# Allegro board RK_EXCAVATOR_MAIN_V12_20161114_FZBFINAL.brd (continued)
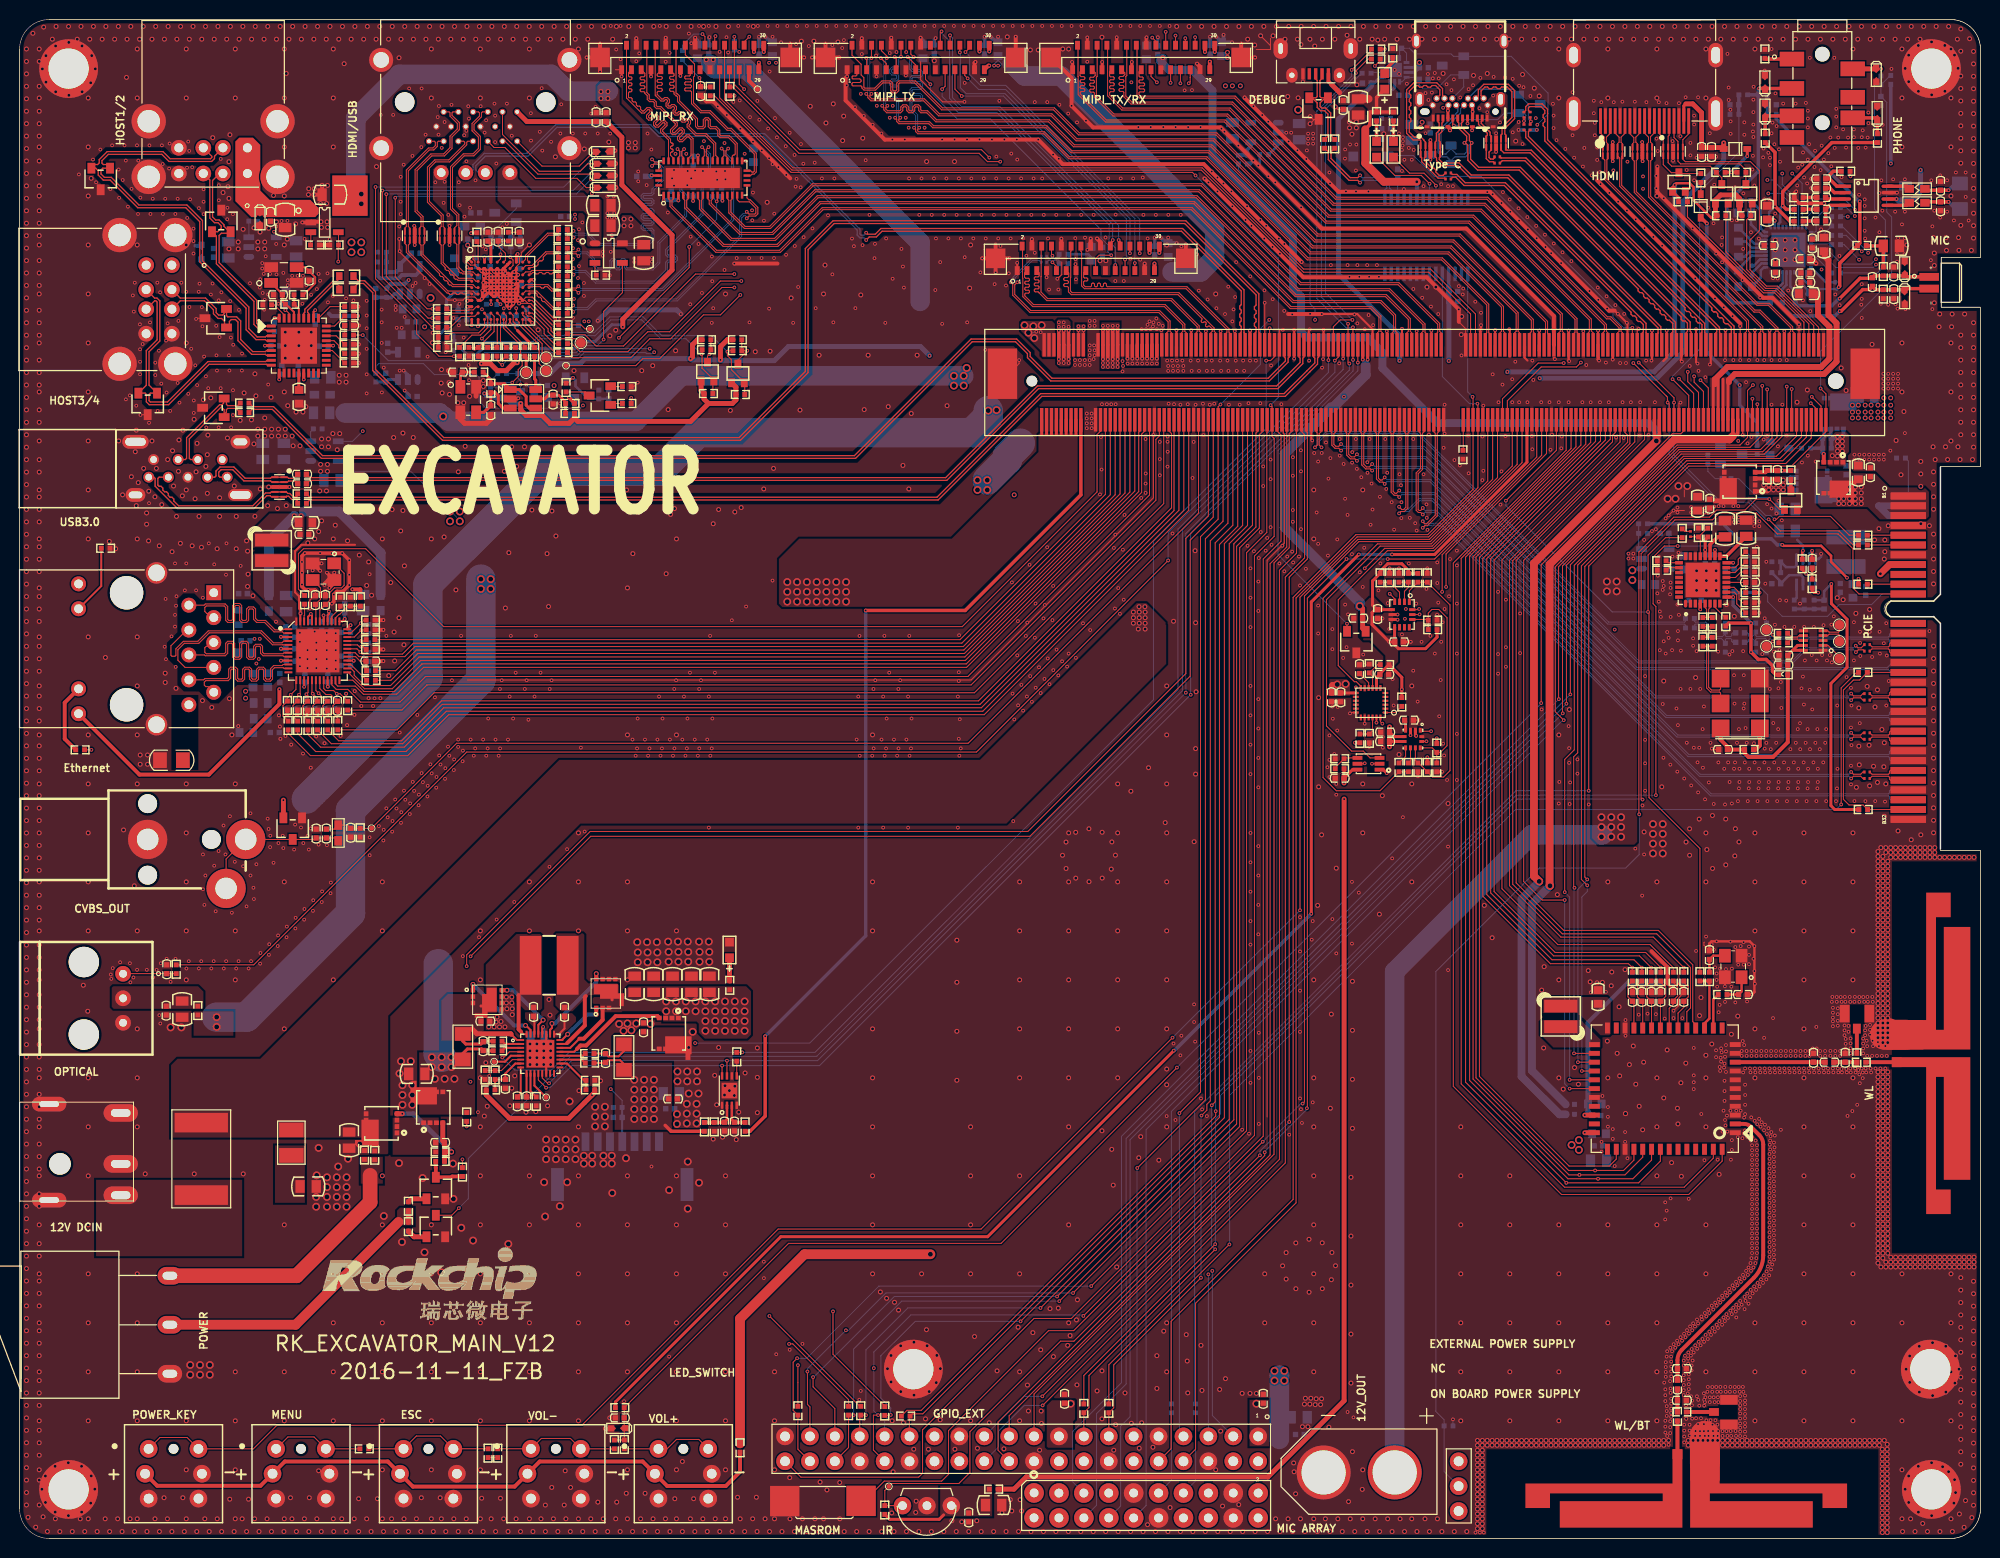
[diagram p0: board, top side]
## Routing (per net, layer and track width the routed paths; a pad name or vN(x,y) marks a point on that pad's centre or on a via; arc(x,y) is an arc through that point) (continued)
v1(187.1,143.8) v1(187.1,142.99) v1(187.15,110.6) v1(187.15,110.1) v1(187.1,93.5) v1(187.1,89.6) v1(187.15,75.25) v1(187.15,54.76) v1(187.2,55.26) v1(187.23,47.96) v1(187.28,47.56) v1(187.43,44.25) v1(187.54,141.91) v1(187.55,47.8) v1(187.63,137.12) v1(187.65,110.6) v1(187.65,110.1) v1(187.65,55.25) v1(187.65,54.76) v1(187.65,47.35) v1(187.72,92.52) v1(187.73,91.38) v1(187.75,90.05) v1(187.7,83.2) v1(187.7,46.45) v1(187.85,125.9) v1(187.9,142.99) v1(187.9,128) v1(187.9,126.5) v1(187.9,124.55) v1(187.9,47.95) v1(188,143.7) v1(188.05,55.25) v1(188.04,51) v1(188.04,50.5) v1(188.04,50) v1(188.04,49.5) v1(188,47.55) v1(188,46.97) v1(188.15,110.6) v1(188.15,110.1) v1(188.15,54.76) v1(188.2,136.65) v1(188.2,135.99) v1(188.2,134.72) v1(188.2,133.45) v1(188.24,132.65) v1(188.24,51.85) v1(188.24,51.35) v1(188.29,141.94) v1(188.27,75.24) v1(188.3,52.3) v1(188.3,47.96) v1(188.4,50.79) v1(188.45,50.24) v1(188.45,49.24) v1(188.35,47.56) v1(188.5,142.96) v1(188.48,55.26) v1(188.53,54.76) v1(188.57,145.51) v1(188.58,144.43) v1(188.65,110.6) v1(188.65,110.1) v1(188.72,92.52) v1(188.74,52.4) v1(188.74,51.9) v1(188.74,51.4) v1(188.8,47.96) v1(188.95,89.95) v1(188.95,49.24) v1(188.85,47.56) v1(188.98,55.26) v1(189.03,54.76) v1(189,50.79) v1(189.05,50.24) v1(189.15,110.6) v1(189.15,110.1) v1(189.3,134.8) v1(189.27,75.24) v1(189.3,47.96) v1(189.45,49.24) v1(189.55,50.65) v1(189.65,110.6) v1(189.65,110.1) v1(189.65,50.24) v1(189.7,137.3) v1(189.7,133.3) v1(189.72,92.52) v1(189.75,90.3) v1(189.85,126) v1(189.8,47.96) v1(189.9,138.6) v1(189.95,49.24) v1(190.03,144.27) v1(190,135.5) v1(190.1,118.85) v1(190.1,118.35) v1(190.1,117.85) v1(190.1,117.35) v1(190.15,110.6) v1(190.15,110.1) v1(190.15,91.35) v1(190.27,75.19) v1(190.3,50.25) v1(190.3,47.96) v1(190.4,93.4) v1(190.45,90.1) v1(190.4,85) v1(190.45,49.24) v1(190.6,125.9) v1(190.6,118.85) v1(190.6,118.35) v1(190.6,117.85) v1(190.6,117.35) v1(190.65,87.5) v1(190.82,111.01) v1(190.93,149.97) v1(191.1,138.7) v1(191.1,118.85) v1(191.1,118.35) v1(191.1,117.85) v1(191.1,117.35) v1(191.3,135.4) v1(191.35,125.95) v1(191.5,131.05) v1(191.5,130.3) v1(191.55,125.5) v1(191.6,132.7) v1(191.6,118.85) v1(191.6,118.35) v1(191.6,117.85) v1(191.6,117.35) v1(192,134.1) v1(192.25,131.05) v1(192.3,138.7) v1(192.3,135.4) v1(192.3,132.7) v1(192.35,125.45) v1(192.3,112.8) v1(194.8,92.6) v1(195,138.6) v1(194.95,130.45) v1(195.1,133.9) v1(195.1,125.45) v1(195.3,135.5) v1(195.9,139.1) v1(195.9,134.8) v1(196.6,138.6) v1(196.6,135.4) v1(197.3,134.5) v1(197.5,139.4) v1(198.5,139.4) v1(198.5,136.9) v1(198.8,134.5) v2(0.7,152) v2(0.7,150.73) v2(0.7,149.46) v2(0.7,148.19) v2(0.7,146.92) v2(0.7,145.65) v2(0.7,144.38) v2(0.7,143.11) v2(0.7,141.84) v2(0.7,140.57) v2(0.7,139.3) v2(0.7,138.03) v2(0.7,136.76) v2(0.7,135.49) v2(0.7,134.22) v2(0.7,132.95) v2(0.7,131.68) v2(0.7,130.41) v2(0.7,129.14) v2(0.7,127.87) v2(0.7,126.6) v2(0.7,125.33) v2(0.7,124.06) v2(0.7,122.79) v2(0.7,121.52) v2(0.7,120.25) v2(0.7,118.98) v2(0.7,117.71) v2(0.7,116.44) v2(0.7,115.17) v2(0.7,113.9) v2(0.7,112.63) v2(0.7,111.36) v2(0.7,110.09) v2(0.7,108.82) v2(0.7,107.55) v2(0.7,106.28) v2(0.7,105.01) v2(0.7,103.74) v2(0.7,102.47) v2(0.7,101.2) v2(0.7,99.93) v2(0.7,98.66) v2(0.7,97.39) v2(0.7,96.12) v2(0.7,94.85) v2(0.7,93.58) v2(0.7,92.31) v2(0.7,91.04) v2(0.7,89.77) v2(0.7,88.5) v2(0.7,87.23) v2(0.7,85.96) v2(0.7,84.69) v2(0.7,83.42) v2(0.7,82.15) v2(0.7,80.88) v2(0.7,79.61) v2(0.7,78.34) v2(0.7,77.07) v2(0.7,75.8) v2(0.7,74.53) v2(0.7,73.26) v2(0.7,71.99) v2(0.7,70.72) v2(0.7,69.45) v2(0.7,68.18) v2(0.7,66.91) v2(0.7,65.64) v2(0.7,64.37) v2(0.7,63.1) v2(0.7,61.83) v2(0.7,60.56) v2(0.7,59.29) v2(0.7,58.02) v2(0.7,56.75) v2(0.7,55.48) v2(0.7,54.21) v2(0.7,52.94) v2(0.7,51.67) v2(0.7,50.4) v2(0.7,49.13) v2(0.7,47.86) v2(0.7,46.59) v2(0.7,45.32) v2(0.7,44.05) v2(0.7,42.78) v2(0.7,41.51) v2(0.7,40.24) v2(0.7,38.97) v2(0.7,37.7) v2(0.7,36.43) v2(0.7,35.16) v2(0.7,33.89) v2(0.7,32.62) v2(0.7,31.35) v2(0.7,30.08) v2(0.7,28.81) v2(0.7,27.54) v2(0.7,26.27) v2(0.7,25) v2(0.7,23.73) v2(0.7,22.46) v2(0.7,21.19) v2(0.7,19.92) v2(0.7,18.65) v2(0.7,17.38) v2(0.7,16.11) v2(0.7,14.84) v2(0.7,13.57) v2(0.7,12.3) v2(0.7,11.03) v2(0.7,9.76) v2(0.7,8.49) v2(0.7,7.22) v2(0.7,5.95) v2(0.7,4.68) v2(0.7,3.41) v2(0.86,2.15) v2(1.35,153.6) v2(1.64,1.15) v2(2,152) v2(2,150.73) v2(2,148.19) v2(2,147) v2(2,145.65) v2(2,144.38) v2(2,143.11) v2(2,142) v2(2,140.57) v2(2,139.3) v2(2,138.03) v2(2,137) v2(2,135.49) v2(2,134.22) v2(2,132.95) v2(2,132) v2(2,130.41) v2(2,129.14) v2(2,127.87) v2(2,127) v2(2,125.33) v2(2,124.06) v2(2,122.79) v2(2,122) v2(2,120.25) v2(2,118.98) v2(2,117.71) v2(2,117) v2(2,115.17) v2(2,113.9) v2(2,112) v2(2,110.09) v2(2,108.82) v2(2,107) v2(2,106.28) v2(2,105.01) v2(2,103.74) v2(2,102) v2(2,101.2) v2(2,99.93) v2(2,98.66) v2(2,97) v2(2,96.12) v2(2,94.85) v2(2,93.58) v2(2,92) v2(2,91.04) v2(2,89.77) v2(2,88.5) v2(2,87) v2(2,85.96) v2(2,84.69) v2(2,83.42) v2(2,82) v2(2,80.88) v2(2,79.61) v2(2,78.34) v2(2,77) v2(2,75.8) v2(2,74.53) v2(2,73.26) v2(2,72) v2(2,70.72) v2(2,69.45) v2(2,68.18) v2(2,67) v2(2,65.64) v2(2,64.37) v2(2,63.1) v2(2,62) v2(2,60.56) v2(2,59.29) v2(2,58.02) v2(2,57) v2(2,55.48) v2(2,54.21) v2(2,52.94) v2(2,52) v2(2,50.4) v2(2,49.13) v2(2,47.86) v2(2,47) v2(2,45.32) v2(2,44.05) v2(2,42.78) v2(2,42) v2(2,40.24) v2(2,38.97) v2(2,37.7) v2(2,37) v2(2,35.16) v2(2,33.89) v2(2,32) v2(2,30.08) v2(2,28.81) v2(2,27) v2(2,26.27) v2(2,25) v2(2,23.73) v2(2,22) v2(2,21.19) v2(2,19.92) v2(2,18.65) v2(2,17) v2(2,16.11) v2(2,14.84) v2(2,13.57) v2(2,12) v2(2,11.03) v2(2,9.76) v2(2,8.49) v2(2,7) v2(2,5.95) v2(2,3.41) v2(2.32,149.97) v2(2.27,5.02) v2(2.4,2.2) v2(2.45,154.23) v2(2.63,6.37) v2(2.64,3.67) v2(2.68,151.32) v2(2.69,148.62) v2(2.83,0.71) v2(3.34,153) v2(3.62,7.36) v2(3.63,2.68) v2(3.65,2) v2(3.72,154.3) v2(3.67,152.31) v2(3.68,147.63) v2(4.1,0.7) v2(4.99,154.3) v2(5.02,152.67) v2(5.03,147.27) v2(4.97,7.72) v2(4.98,2.32) v2(5.37,0.7) v2(5.88,153) v2(6.19,2) v2(6.26,154.3) v2(6.32,7.36) v2(6.33,2.69) v2(6.37,152.31) v2(6.38,147.64) v2(6.5,56.45) v2(6.64,0.7) v2(7,147) v2(7,142) v2(7,137) v2(7,132) v2(7,127) v2(7,122) v2(7,117) v2(7,112) v2(7,107) v2(7,102) v2(7,92) v2(7,82) v2(7,77) v2(7,72) v2(7,67) v2(7,62) v2(6.95,53.8) v2(7,47) v2(7,42) v2(7,37) v2(7,32) v2(7,27) v2(7,22) v2(7,17) v2(7,12) v2(7,2) v2(7.15,153) v2(7.3,138.8) v2(7.31,6.38) v2(7.36,151.33) v2(7.53,154.3) v2(7.72,149.98) v2(7.67,5.03) v2(7.91,0.7) v2(8.42,153) v2(8.73,2) v2(8.8,154.3) v2(8.75,89.9) v2(9.15,101.75) v2(9.18,0.7) v2(9.69,153) v2(9.8,101) v2(10,2) v2(10.07,154.3) v2(10.1,112) v2(10.5,106.5) v2(10.45,0.7) v2(10.6,72.3) v2(10.9,149.1) v2(10.96,153) v2(11.34,154.3) v2(11.27,2) v2(11.4,108.35) v2(11.7,66.6) v2(11.72,0.7) v2(11.8,110.9) v2(11.9,113.1) v2(11.9,105.4) v2(12,152) v2(12,147) v2(12,132) v2(12,102) v2(12,92) v2(12,87) v2(12,82) v2(12,77) v2(12,62) v2(12,52) v2(12,47) v2(12,42) v2(12,27) v2(12,22) v2(12,17) v2(12,12) v2(12,2) v2(12.1,107.75) v2(12.23,153) v2(12.3,79.95) v2(12.3,79) v2(12.61,154.3) v2(12.65,109.2) v2(12.81,37.2) v2(12.95,104.65) v2(12.95,103.5) v2(12.99,0.7) v2(13.05,79.95) v2(13.05,79) v2(13.17,106.87) v2(13.15,101.8) v2(13.5,153) v2(13.5,112) v2(13.8,106.3) v2(13.81,2) v2(13.88,154.3) v2(13.95,109.2) v2(14.25,101.3) v2(14.26,0.7) v2(14.5,105.5) v2(14.73,4.15) v2(14.77,153) v2(14.85,88.3) v2(14.85,87.35) v2(15.15,154.3) v2(15.1,110.1) v2(15.08,2) v2(15.53,0.7) v2(15.6,111) v2(15.55,100.7) v2(15.7,107.4) v2(16.04,153) v2(16,104.3) v2(15.95,86.75) v2(16.2,108.9) v2(16.25,112.1) v2(16.42,154.3) v2(16.4,101.55) v2(16.6,106.4) v2(16.65,113.1) v2(16.65,4.15) v2(16.8,0.7) v2(17,152) v2(17,147) v2(17,132) v2(17,122) v2(17,107) v2(17,77) v2(17,72) v2(17,67) v2(17,62) v2(17,57) v2(17,12) v2(17,7) v2(17,2) v2(17.31,153) v2(17.6,101.3) v2(17.69,154.3) v2(17.8,114.2) v2(17.81,37.2) v2(17.9,106.1) v2(18,108.85) v2(18.1,111.75) v2(18.07,0.7) v2(18.3,104.3) v2(18.58,153) v2(18.55,101.15) v2(18.65,85.5) v2(18.75,116.2) v2(18.89,2) v2(18.96,154.3) v2(19,109.4) v2(19.2,112.6) v2(19.15,110.6) v2(19.15,106.65) v2(19.34,0.7) v2(19.5,116.4) v2(19.6,84.8) v2(19.7,142.95) v2(19.85,153) v2(20.23,154.3) v2(20.15,101) v2(20.16,2) v2(20.4,106.2) v2(20.4,104.3) v2(20.61,0.7) v2(20.75,137.35) v2(21.12,153) v2(21.2,112.3) v2(21.25,137.95) v2(21.35,140.5) v2(21.35,136.75) v2(21.35,131.6) v2(21.4,85.7) v2(21.43,4) v2(21.5,154.3) v2(21.45,143.25) v2(21.65,82) v2(21.9,107.4) v2(21.88,0.7) v2(22,152) v2(22,147) v2(22,77) v2(22,62) v2(22,57) v2(22,17) v2(22,12) v2(22,7) v2(22,2) v2(22.1,104.3) v2(22.1,101) v2(22.3,132.3) v2(22.3,131.6) v2(22.39,153) v2(22.5,114.1) v2(22.7,2) v2(22.77,154.3) v2(22.8,133.6) v2(22.81,37.2) v2(22.9,116.9) v2(23.15,101.8) v2(23.15,0.7) v2(23.25,100.75) v2(23.3,98.4) v2(23.25,97.15) v2(23.35,4) v2(23.66,153) v2(23.65,114.15) v2(23.8,96.2) v2(23.9,111.7) v2(24.04,154.3) v2(24,118.85) v2(24,104.3) v2(23.97,2) v2(24.1,116.6) v2(24.3,132.3) v2(24.3,131.6) v2(24.3,113.2) v2(24.3,112.5) v2(24.42,0.7) v2(24.55,107.1) v2(24.93,153) v2(25,132.3) v2(25,131.6) v2(25,114.35) v2(25,113.2) v2(25,112.5) v2(25.24,2) v2(25.31,154.3) v2(25.3,105.4) v2(25.4,133.7) v2(25.65,116.45) v2(25.7,113.2) v2(25.7,112.5) v2(25.69,0.7) v2(25.9,137.05) v2(26.2,153) v2(26.19,134.36) v2(26.3,105.1) v2(26.4,113.2) v2(26.4,112.5) v2(26.58,154.3) v2(27,152) v2(27,147) v2(27,142) v2(27,137) v2(27,132) v2(27,117) v2(27,67) v2(27,52) v2(27,32) v2(27,17) v2(27,12) v2(27,2) v2(26.96,0.7) v2(27.1,123.1) v2(27.1,121.73) v2(27.1,120.45) v2(27.1,113.2) v2(27.1,112.5) v2(27.2,149.5) v2(27.2,105.4) v2(27.35,115.6) v2(27.47,153) v2(27.63,4.15) v2(27.85,154.3) v2(27.8,112.5) v2(27.78,2) v2(27.9,111.5) v2(28.15,134.15) v2(28.2,114.95) v2(28.23,0.7) v2(28.48,123.1) v2(28.48,121.73) v2(28.48,120.45) v2(28.6,111.5) v2(28.74,153) v2(28.9,114.95) v2(29.05,2) v2(29.12,154.3) v2(29.2,115.5) v2(29.4,101.6) v2(29.49,137.74) v2(29.46,137.14) v2(29.5,0.7) v2(29.55,4.15) v2(29.75,123.1) v2(29.75,121.73) v2(29.75,120.45) v2(30.01,153) v2(30.05,137.73) v2(30.1,102) v2(30.32,2) v2(30.39,154.3) v2(30.5,102.75) v2(30.5,6.9) v2(30.6,106.9) v2(30.69,136.23) v2(30.7,109.6) v2(30.7,108.9) v2(30.79,133.79) v2(30.8,112.2) v2(30.8,111.4) v2(30.8,103.85) v2(30.77,0.7) v2(31.28,153) v2(31.31,136.23) v2(31.3,106.9) v2(31.4,138.08) v2(31.36,134.37) v2(31.41,133.79) v2(31.4,109.6) v2(31.4,108.9) v2(31.5,112.2) v2(31.5,111.4) v2(31.66,154.3) v2(32,152) v2(32,147) v2(32,142) v2(31.95,112.75) v2(32,102) v2(32,57) v2(32,27) v2(32,22) v2(32,17) v2(32,12) v2(32,2) v2(32.04,0.7) v2(32.2,103.4) v2(32.4,111.1) v2(32.55,153) v2(32.6,118.7) v2(32.6,118) v2(32.65,112.75) v2(32.93,154.3) v2(32.86,2) v2(33.1,150.5) v2(33.3,118.7) v2(33.3,118) v2(33.31,0.7) v2(33.45,101.8) v2(33.82,153) v2(33.8,111.2) v2(34.1,104.9) v2(34.13,2) v2(34.2,154.3) v2(34.58,4.05) v2(34.58,0.7) v2(34.65,100.35) v2(34.95,104.75) v2(35.09,153) v2(35.4,97.25) v2(35.4,2) v2(35.47,154.3) v2(35.6,99.65) v2(35.9,96.25) v2(35.85,0.7) v2(36.36,153) v2(36.4,140) v2(36.5,4.05) v2(36.74,154.3) v2(36.8,105) v2(37,102) v2(37,67) v2(37,62) v2(37,37) v2(37,32) v2(37,27) v2(37,22) v2(37,17) v2(37,12) v2(37,7) v2(37,2) v2(37.12,0.7) v2(37.63,153) v2(37.65,88.05) v2(37.85,97.55) v2(37.94,2) v2(38.01,154.3) v2(38,105) v2(38.15,112.35) v2(38.2,92.5) v2(38.25,89.55) v2(38.39,0.7) v2(38.7,151.1) v2(38.7,93.95) v2(38.9,153) v2(38.87,102.82) v2(39.1,112.8) v2(39.1,104.9) v2(39.2,91.2) v2(39.21,2) v2(39.28,154.3) v2(39.25,99.25) v2(39.66,0.7) v2(40.17,153) v2(40.15,112.35) v2(40.55,154.3) v2(40.48,2) v2(40.93,0.7) v2(40.98,4.15) v2(41.44,153) v2(41.82,154.3) v2(42,152) v2(42,147) v2(42,102) v2(42,32) v2(42,27) v2(42,22) v2(42,17) v2(42,12) v2(42,7) v2(42,2) v2(42.12,122.02) v2(42.2,0.7) v2(42.71,153) v2(42.9,4.15) v2(43.04,119.28) v2(43,117.9) v2(43.02,2) v2(43.09,154.3) v2(43.1,116.9) v2(43.3,102.2) v2(43.47,0.7) v2(43.8,117.95) v2(43.85,116.75) v2(43.98,153) v2(44.3,111.2) v2(44.29,2) v2(44.36,154.3) v2(44.5,96.8) v2(44.7,115.9) v2(44.74,0.7) v2(44.75,108.85) v2(45.25,153) v2(45.3,115.9) v2(45.45,111.45) v2(45.63,154.3) v2(45.56,2) v2(45.9,116.55) v2(46.01,0.7) v2(46.2,108.85) v2(46.52,153) v2(46.9,154.3) v2(47,152) v2(47,147) v2(47,107) v2(47,62) v2(47,57) v2(47,47) v2(47,42) v2(47,37) v2(47,32) v2(47,27) v2(47,22) v2(47,17) v2(47,12) v2(47,7) v2(47,2) v2(47.13,4.1) v2(47.3,118.16) v2(47.3,117.55) v2(47.28,0.7) v2(47.4,43.1) v2(47.5,111.3) v2(47.55,48.55) v2(47.7,44.1) v2(47.79,153) v2(47.85,52.2) v2(48.1,2) v2(48.17,154.3) v2(48.4,52.2) v2(48.6,52.7) v2(48.55,0.7) v2(48.7,53.2) v2(48.95,52.2) v2(49.05,4.1) v2(49.06,153) v2(49.1,52.75) v2(49.44,154.3) v2(49.37,2) v2(49.45,108.9) v2(49.5,52.2) v2(49.55,94.95) v2(49.65,55.25) v2(49.65,54.65) v2(49.7,54.05) v2(49.82,0.7) v2(49.9,100.6) v2(50,44.15) v2(50.2,111.4) v2(50.2,55.25) v2(50.2,54.65) v2(50.2,45.95) v2(50.33,153) v2(50.25,54.05) v2(50.25,53.45) v2(50.5,47.2) v2(50.64,2) v2(50.71,154.3) v2(50.7,109.4) v2(51.09,0.7) v2(51.5,111.4) v2(51.6,153) v2(51.65,43.5) v2(51.98,154.3) v2(52,152) v2(52,147) v2(52,132) v2(52,67) v2(52,62) v2(52,42) v2(52,37) v2(52,32) v2(52,27) v2(52,22) v2(52,17) v2(52,12) v2(52,2) v2(52.06,50.46) v2(52.06,49.76) v2(52.06,49.06) v2(52.06,48.36) v2(52.25,104.95) v2(52.36,0.7) v2(52.5,111.3) v2(52.65,43.55) v2(52.76,50.46) v2(52.76,49.76) v2(52.76,49.06) v2(52.76,48.36) v2(52.87,153) v2(52.89,123.34) v2(53.25,154.3) v2(53.18,2) v2(53.5,104.8) v2(53.46,49.76) v2(53.46,49.06) v2(53.63,3.4) v2(53.63,0.7) v2(53.8,100.5) v2(53.85,44.15) v2(53.95,95.1) v2(54,55) v2(54.14,153) v2(54.1,53.4) v2(54.16,50.46) v2(54.16,49.76) v2(54.16,49.06) v2(54.16,48.36) v2(54.25,106.9) v2(54.3,104.85) v2(54.28,5.2) v2(54.45,2) v2(54.52,154.3) v2(54.65,141) v2(54.65,111.35) v2(54.7,102.3) v2(54.9,0.7) v2(55.41,153) v2(55.55,3.4) v2(55.65,6.9) v2(55.72,2) v2(55.79,154.3) v2(56.2,5.2) v2(56.17,0.7) v2(56.55,119.18) v2(56.68,153) v2(57,152) v2(57,72) v2(57,67) v2(57,62) v2(57,42) v2(57,37) v2(57,32) v2(57,27) v2(57,22) v2(57,17) v2(57,12) v2(57,2) v2(57.06,154.3) v2(57.05,45.7) v2(57.3,111.3) v2(57.44,0.7) v2(57.6,141.8) v2(57.95,153) v2(58.33,154.3) v2(58.26,2) v2(58.71,0.7) v2(58.98,3.7) v2(59.25,46.7) v2(59.53,2) v2(59.6,154.3) v2(59.75,11.2) v2(59.98,0.7) v2(60.1,142.5) v2(60.21,122.73) v2(60.2,12.3) v2(60.49,153) v2(60.8,123.3) v2(60.8,2) v2(60.87,154.3) v2(60.9,3.7) v2(61.25,0.7) v2(61.9,107) v2(61.88,4.6) v2(62,97) v2(62,82) v2(62,67) v2(62,62) v2(62,57) v2(62,37) v2(62,32) v2(62,27) v2(62,22) v2(62,17) v2(62,7) v2(62,2) v2(62.14,154.3) v2(62.52,0.7) v2(62.55,100.5) v2(63.34,2) v2(63.41,154.3) v2(63.46,119.18) v2(63.8,4.6) v2(63.79,0.7) v2(64.57,119.68) v2(64.61,2) v2(64.68,154.3) v2(65.06,0.7) v2(65.95,154.3) v2(65.88,2) v2(65.95,98.45) v2(66.15,115.2) v2(66.33,0.7) v2(66.4,104.5) v2(66.8,105.1) v2(66.83,4.05) v2(66.91,121.21) v2(67,102) v2(67,82) v2(67,62) v2(67,37) v2(67,32) v2(67,27) v2(67,22) v2(67,17) v2(67,12) v2(67,7) v2(67,2) v2(67.22,154.3) v2(67.6,7.85) v2(67.6,0.7) v2(68.25,50.1) v2(68.42,2) v2(68.49,154.3) v2(68.6,105) v2(68.75,4.05) v2(68.87,0.7) v2(69.69,2) v2(69.76,154.3) v2(70.14,0.7) v2(70.75,103.55) v2(70.75,40.75) v2(70.9,47.25) v2(71.03,154.3) v2(70.96,2) v2(71.1,44.25) v2(71.3,105) v2(71.3,50.1) v2(71.41,0.7) v2(71.7,40.95) v2(71.9,45.25) v2(72,127) v2(71.95,46.2) v2(72,37) v2(72,32) v2(72,27) v2(72,17) v2(72,12) v2(72,7) v2(72,2) v2(72.3,154.3) v2(72.4,45.7) v2(72.5,115.11) v2(72.68,0.7) v2(72.95,46.15) v2(72.9,45.2) v2(72.95,104.75) v2(73.1,40.7) v2(73.23,4.2) v2(73.35,43.5) v2(73.5,2) v2(73.6,105.2) v2(74,47.5) v2(73.95,0.7) v2(74.84,154.3) v2(74.77,2) v2(75.04,121.11) v2(75.15,4.2) v2(75.22,0.7) v2(75.25,50.05) v2(75.25,47.05) v2(75.25,43.45) v2(75.9,107.1) v2(76.04,2) v2(76.25,136.35) v2(76.55,121.16) v2(76.49,0.7) v2(76.9,109.2) v2(77,17) v2(77,12) v2(77,7) v2(77,2) v2(77.76,0.7) v2(78.55,6.2) v2(78.58,2) v2(78.7,126.59) v2(79.03,0.7) v2(79.6,115.15) v2(79.74,152.8) v2(79.85,2) v2(80.3,0.7) v2(80.65,146.15) v2(81.01,152.8) v2(81.12,2) v2(81.55,120.75) v2(81.57,0.7) v2(81.65,5.75) v2(82,127) v2(82,2) v2(82.15,129.95) v2(82.25,144.45) v2(82.35,4.95) v2(82.84,0.7) v2(83,146.4) v2(83.47,152.7) v2(83.65,5.7) v2(83.66,2) v2(83.95,142.65) v2(84.05,145.15) v2(84.11,0.7) v2(85.38,0.7) v2(85.8,126.9) v2(86,142.9) v2(86.15,115.2) v2(86.55,120.75) v2(86.65,0.7) v2(87,82) v2(87,67) v2(87,62) v2(87,52) v2(87,47) v2(87,42) v2(87,37) v2(87,32) v2(87,27) v2(87.8,25.15) v2(87.92,0.7) v2(88.43,24.5) v2(88.52,17.32) v2(88.6,115.5) v2(88.88,18.67) v2(88.89,15.97) v2(89,12) v2(88.95,2.6) v2(89.1,6.8) v2(89.24,24.1) v2(89.19,0.7) v2(89.65,23.3) v2(89.87,19.66) v2(89.88,14.98) v2(90.1,109.5) v2(90.15,11.8) v2(90.46,0.7) v2(90.7,107.1) v2(90.95,114.8) v2(91.22,20.02) v2(91.23,14.62) v2(91.2,9.1) v2(91.4,2.65) v2(91.55,120.75) v2(91.45,3.8) v2(91.73,0.7) v2(92,27) v2(92.4,12.2) v2(92.51,140.51) v2(92.5,21.3) v2(92.57,19.66) v2(92.7,9.1) v2(92.78,14.99) v2(93,0.7) v2(93.5,15.9) v2(93.56,18.68) v2(93.92,17.33) v2(93.9,12.1) v2(94.27,0.7) v2(94.6,115.6) v2(95.09,1.8) v2(95.36,140.51) v2(95.4,9.1) v2(95.54,0.7) v2(95.6,61.05) v2(95.6,56.75) v2(95.6,51.75) v2(95.6,46.75) v2(96.1,1.7) v2(96.81,0.7) v2(96.9,127.6) v2(97,132) v2(97,42) v2(97,37) v2(97,32) v2(97,27) v2(97,12) v2(97.4,20.6) v2(97.63,1.8) v2(97.7,9.2) v2(98.08,0.7) v2(98.9,11.8) v2(99.35,0.7) v2(99.7,17.1) v2(100.2,2.6) v2(100.4,9.14) v2(100.62,0.7) v2(100.74,153.24) v2(101.05,3.95) v2(101.2,2.8) v2(101.45,106.5) v2(101.85,21.55) v2(101.89,0.7) v2(102,67) v2(102,62) v2(102,57) v2(102,52) v2(102,47) v2(102,37) v2(102,27) v2(102,17) v2(102,12) v2(102.05,3.95) v2(102.2,2.8) v2(102.8,15.65) v2(102.9,13) v2(103.1,151.9) v2(103.16,0.7) v2(103.35,21) v2(103.9,151.9) v2(104.04,9) v2(104.15,19.25) v2(104.2,13) v2(104.23,11.73) v2(104.43,0.7) v2(105.1,23.45) v2(105.45,18.55) v2(105.7,0.7) v2(105.95,23.5) v2(106.4,152) v2(106.37,69.72) v2(106.73,71.07) v2(106.74,68.37) v2(106.9,19.7) v2(107,152) v2(107,72) v2(107,67) v2(107,62) v2(107,57) v2(107,52) v2(107,47) v2(107,42) v2(107,32) v2(107,22) v2(106.97,0.7) v2(107.15,20.7) v2(107.72,72.06) v2(107.73,67.38) v2(107.8,22.3) v2(107.85,15.67) v2(107.9,24.35) v2(108.24,0.7) v2(109.07,72.42) v2(109.08,67.02) v2(109.51,0.7) v2(109.9,15.05) v2(110.4,153.2) v2(110.42,72.06) v2(110.43,67.39) v2(110.4,41.6) v2(110.4,17.1) v2(110.4,12.2) v2(110.78,0.7) v2(111.35,68.3) v2(111.41,71.08) v2(111.4,39.7) v2(111.55,36.05) v2(111.6,9) v2(111.77,69.73) v2(111.8,11.6) v2(111.9,27.7) v2(112,77) v2(112,72) v2(112,67) v2(112,62) v2(112,57) v2(112,52) v2(112,47) v2(112.05,0.7) v2(112.75,14.85) v2(113.32,0.7) v2(113.35,76.25) v2(113.4,11.75) v2(114.15,38.85) v2(114.2,9.2) v2(114.35,41) v2(114.45,11.8) v2(114.59,0.7) v2(115.05,1.4) v2(115.15,78.65) v2(115.6,9.3) v2(115.86,0.7) v2(116,18.65) v2(116,15.3) v2(116.2,38.6) v2(116.7,21.15) v2(116.85,73.05) v2(117,132) v2(117,87) v2(117,82) v2(117,77) v2(117,72) v2(117,67) v2(117,62) v2(117,57) v2(117,52) v2(117,47.9) v2(117,46.3) v2(117,42) v2(117,22) v2(117,17) v2(117.13,0.7) v2(117.35,3.15) v2(117.7,93.6) v2(118.02,154.3) v2(118.4,0.7) v2(119,20.8) v2(119.1,18.1) v2(119.15,14.85) v2(119.29,154.3) v2(119.67,0.7) v2(119.8,71.1) v2(119.9,100.8) v2(119.95,93.45) v2(120,86.4) v2(119.95,80.6) v2(119.95,78) v2(120.5,19.7) v2(120.56,154.3) v2(120.6,15.1) v2(120.94,0.7) v2(121.83,154.3) v2(122,127) v2(122,7) v2(122.21,0.7) v2(122.4,15.2) v2(122.5,10.95) v2(122.7,3.3) v2(123,16.3) v2(123.1,154.3) v2(123.48,0.7) v2(124.35,3.45) v2(124.37,154.3) v2(124.7,14.8) v2(124.75,0.7) v2(125.26,153) v2(125.5,14.8) v2(125.64,154.3) v2(125.98,152.4) v2(126,147) v2(126.02,0.7) v2(126.15,14.8) v2(126.91,154.3) v2(127.01,146.96) v2(127,27) v2(127,22) v2(127.29,0.7) v2(127.85,153.35) v2(128.11,2) v2(128.18,154.3) v2(128.56,0.7) v2(128.82,27.82) v2(129.07,153) v2(129.18,29.17) v2(129.19,26.47) v2(129.45,154.3) v2(129.35,147.15) v2(129.38,2) v2(129.83,0.7) v2(129.95,7.7) v2(130,6.8) v2(130.17,30.16) v2(130.18,25.48) v2(130.15,4.55) v2(130.34,153) v2(130.41,147.02) v2(130.65,2) v2(130.72,154.3) v2(130.7,152.45) v2(130.85,11.4) v2(131.05,13.7) v2(131.1,0.7) v2(131.15,14.3) v2(131.4,11.4) v2(131.52,30.52) v2(131.53,25.12) v2(131.61,153) v2(131.6,13.7) v2(131.7,14.3) 